# Altium PCB pcb.PcbDoc (part 1 of 2) (continued)
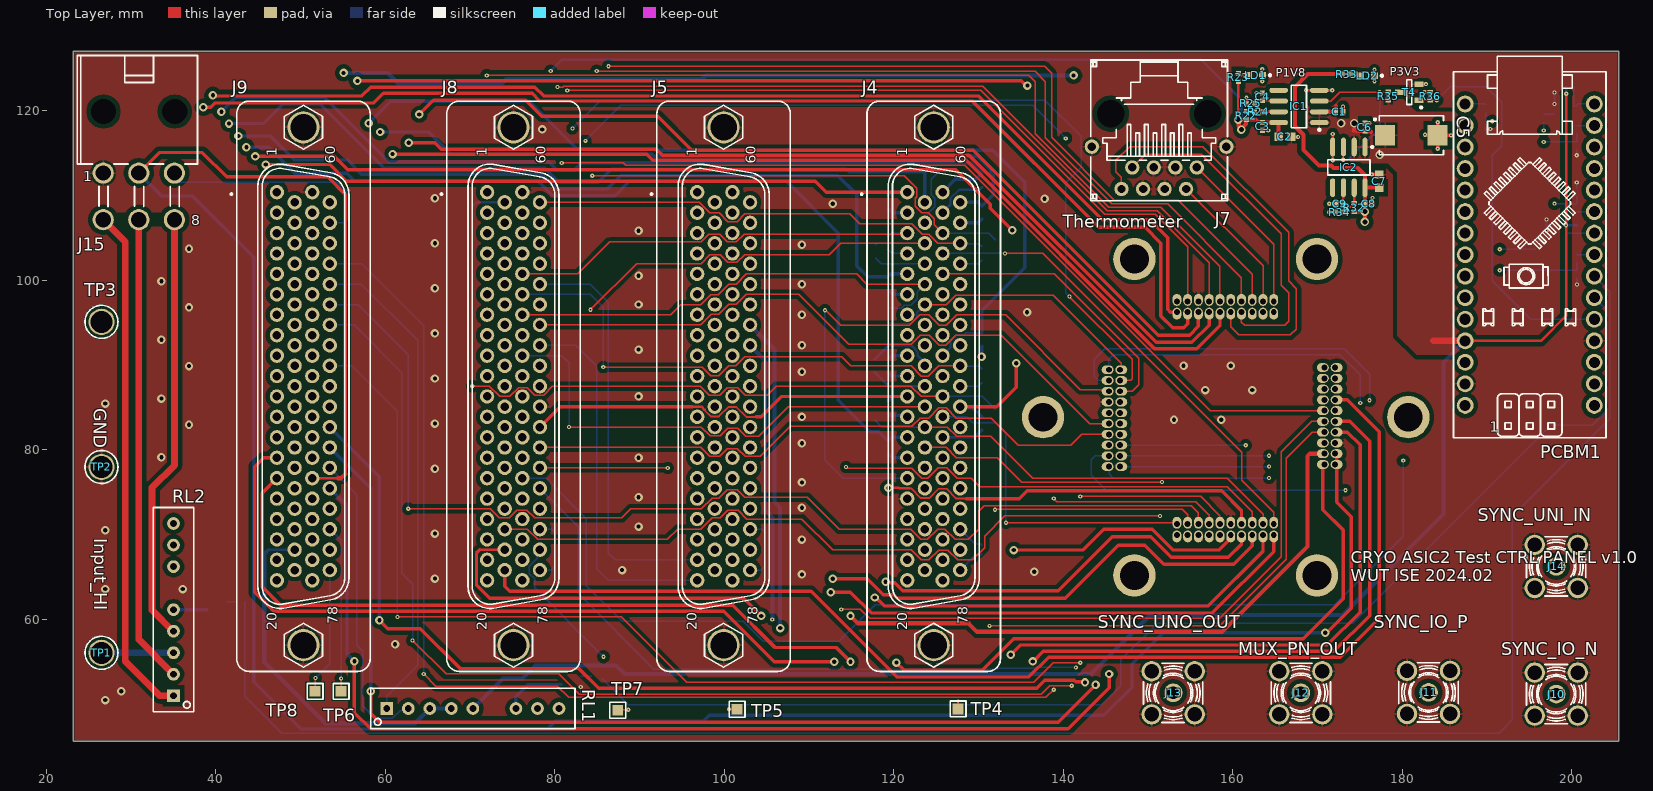
[diagram p0: Top Layer view]
## Footprints (in the part's own frame and the unit in brackets; to place one, negate y for a bottom-side part, rotate by r counter-clockwise, add the part's x,y. Pads: shape width x height; smd on the part's side, far side on the other; paste and mask are expansions set on the pad) (continued)
  round 3.8 hole 3.1: 79(-30.55,0) 80(30.55,0)
  silkscreen extent -33.66,-7.88 33.65,8.62, body extent -33.65,-7.87 33.65,7.88, height 13.25
KSTN-1502-2 [mm] "Terminal DBL Turret, Dia 3.18mm"
  round 3.1 hole 2.6: 1(0,0)
  silkscreen extent -1.95,-1.95 1.95,1.95, body extent -1.59,-1.59 1.59,1.59, height 5.56
LED_KINGBRIGHT_KP-1608CGCK [mm] "SMT Green LED, Case 0603, Body L 1.60mm x W 0.80mm x H 1.10mm"
  rect 0.8x0.8 smd: 1(-0.825,0) 2(0.825,0)
  silkscreen extent -1.83,-0.4 0.08,0.4, body extent -0.8,-0.4 0.8,0.4, height 1.1
MOLEX_39-30-0060 [mm] "4.20mm (.165\") Pitch Mini-Fit Jr. Header, Dual Row, Right Angle with Snap-in Plastic Peg PCB Lock, 8 Circuits"
  round 2.5 hole 1.8: 1(-4.2,2.75) 2(0,2.75) 3(4.2,2.75) 4(-4.2,-2.75) 5(0,-2.75) 6(4.2,-2.75)
  round 1 hole 3 unplated mask+1: 7(-4.165,10.015) 7(4.235,10.015)
  silkscreen extent -7.26,-1.2 6.94,16.62, body extent -7.26,-3.32 6.94,16.62, height 11.4
"PCBM_ARDUINO NANO_a" [mm] "Arduino NANO Printed Circuit Board Module"
  round 2 hole 1.3: 1(17.78,7.62) 2(15.24,7.62) 3(12.7,7.62) 4(10.16,7.62) 5(7.62,7.62) 6(5.08,7.62) 7(2.54,7.62) 8(0,7.62) 9(-2.54,7.62) 10(-5.08,7.62) 11(-7.62,7.62) 12(-10.16,7.62) 13(-12.7,7.62) 14(-15.24,7.62) 15(-17.78,7.62) 16(-17.78,-7.62) 17(-15.24,-7.62) 18(-12.7,-7.62) 19(-10.16,-7.62) 20(-7.62,-7.62) 21(-5.08,-7.62) 22(-2.54,-7.62) 23(0,-7.62) 24(2.54,-7.62) 25(5.08,-7.62) 26(7.62,-7.62) 27(10.16,-7.62) 28(12.7,-7.62) 29(15.24,-7.62) 30(17.78,-7.62)
  silkscreen extent -23.4,-9 21.6,9, body extent -23.4,-9 21.6,9, height 12.6
REL_PICKERING_107-2-C [mm] "8 Leads, Body 24.1 x 4.8mm, 2 Form C Mini-SIL Reed Relay 107 Series"
  rect 1.5x1.5 hole 0.8: 1(-10.16,0)
  round 1.5 hole 0.8: 2(-7.62,0) 3(-5.08,0) 4(-2.54,0) 5(0,0) 7(5.08,0) 8(7.62,0) 9(10.16,0)
  silkscreen extent -12.05,-2.4 12.05,2.4, body extent -12.05,-2.4 12.05,2.4, height 10.2
RESC1005X40N [mm] "Chip Resistor, EIA 0402, Metric 1005, Body 1.0x0.5mm, IPC Medium Density"
  rect 0.58x0.62 smd: 1(-0.47,0) 2(0.47,0)
  body extent -0.52,-0.27 0.53,0.28, height 0.4
RESC1608X55N [mm] "Chip Resistor, EIA 0603, Metric 1608, Body 1.6x0.8mm, IPC Medium Density"
  rect 0.9x1 smd: 1(-0.8,0) 2(0.8,0)
  body extent -0.87,-0.47 0.88,0.48, height 0.55
SAMTEC_SMA-J-P-H-ST-TH1 [mm] "50 Ohm SMA Straight PCB Jack"
  round 2.2 hole 1.5: 1(0,0)
  round 2.4 hole 1.7: 2(-2.54,-2.54) 2(-2.54,2.54) 2(2.54,-2.54) 2(2.54,2.54)
  silkscreen extent -3.5,-3.5 3.5,3.5, body extent -3.5,-3.5 3.5,3.5, height 9.56
SO-8 [mm] "SOIC, 8-Leads, Body 4.9x3.9mm, Pitch 1.27mm, IPC Medium Density"
  oval 2.2x0.6 smd: 1(-2.4,1.905) 2(-2.4,0.635) 3(-2.4,-0.635) 4(-2.4,-1.905) 5(2.4,-1.905) 6(2.4,-0.635) 7(2.4,0.635) 8(2.4,1.905)
  silkscreen extent -2.53,-2.5 0.9,2.88, body extent -3.07,-2.44 2.92,2.46, height 1.6
SOT95P230X110-3N [mm] "SOT23, 3 pin, Pitch 0.95mm - 1.3mm W X 2.9mm L X 1.1mm H, IPC Medium Density"
  rect 1x0.6 smd: 1(-1.15,0.95) 2(-1.15,-0.95) 3(1.15,0)
  silkscreen extent -1.53,-1.45 0.33,1.87, body extent -1.08,-1.5 1.25,1.5, height 1.1
SOT95P240X110-3N [mm] "SOT23 3-Leads, Pitch 0.95mm, Body 1.3x2.9mm, IPC Medium Density"
  rect 1.05x0.65 smd: 1(-1.15,0.95) 2(-1.15,-0.95) 3(1.15,0)
  silkscreen extent -1.53,-1.45 0.3,1.92, body extent -1.25,-1.5 1.25,1.5, height 1.1
TPS127 [mm] "1.27 x  1.27mm SMD Test Point Area"
  rect 1.27x1.27 smd paste-1.27: 1(0,0)
  silkscreen extent -0.94,-0.94 0.94,0.94
TYCO_6368150-1 [mm] "1 Port RJ45, Straight"
  round 1.7 hole 1: 1(-4.445,-1.27) 2(-3.175,1.27) 3(-1.905,-1.27) 4(-0.635,1.27) 5(0.635,-1.27) 6(1.905,1.27) 7(3.175,-1.27) 8(4.445,1.27) SHIELD(-7.935,-3.73) SHIELD(7.935,-3.73)
  round 0.5 hole 3.25 unplated mask+1.375: M1(5.715,-7.62) M2(-5.715,-7.62)
  silkscreen extent -8.06,-13.96 8.06,2.67, body extent -8.06,-13.96 8.06,2.67, height 16.82

## Part data
C1 C6: library part CC0402_4.7UF_10V_10%_X5R, "Non-polarised capacitor", Case=0402, Manufacturer=GENERIC, Manufacturer1 ComponentHeight=0.65mm, Manufacturer1 Example=TDK, Manufacturer1 Part Number=C1005X5R1A475K050, Tolerance=±10%, Voltage=10V, Author="CERN DEM BC", Component Type=Standard, CreateDate=10.01.2020, HelpURL=\\cern.ch\dfs\Applications\Altium\Datasheets\CC0402_X5R_TDK_C.pdf, LatestRevisionDate=10.01.2020, Manufacturer Part Number=CC0402_4.7UF_10V_10%_X5R, Mounted=Yes, Part Description="SMD Multilayer Chip Ceramic Capacitor", Part Number=CC0402_4.7UF_10V_10%_X5R, Pin Count=2, Sense=No, SMD=Yes, Socket=No, Status=Preferred, TC=X5R
C2 C7: library part CC0603_10UF_10V_10%_X5R, "Non-polarised capacitor", Case=0603, Manufacturer=GENERIC, Manufacturer1 ComponentHeight=0.8mm, Manufacturer1 Example=MURATA, Manufacturer1 Part Number=GRM188R61A106KE69D, Tolerance=±10%, Voltage=10V, Author="CERN DEM JLC", Component Type=Standard, CreateDate=31.01.2017, HelpURL=\\cern.ch\dfs\Applications\Altium\Datasheets\CC0603_MURATA_GRM188R61A106KE69D.pdf, LatestRevisionDate=31.01.2017, Manufacturer Part Number=CC0603_10UF_10V_10%_X5R, Mounted=Yes, Part Description="SMD Multilayer Chip Ceramic Capacitor", Part Number=CC0603_10UF_10V_10%_X5R, Pin Count=2, Sense=No, SMD=Yes, Socket=No, Status=None, TC=X5R
C3 C8: library part CC0402_100NF_16V_10%_X5R, "Non-polarised capacitor", Case=0402, Manufacturer=GENERIC, Manufacturer1 ComponentHeight=0.55mm, Manufacturer1 Example=MURATA, Manufacturer1 Part Number=GRM155R61C104KA88D, Tolerance=±10%, Voltage=16V, Author="CERN DEM JLC", Component Type=Standard, CreateDate=10.12.2013, HelpURL=\\cern.ch\dfs\Applications\Altium\Datasheets\CC0402_X5R_MURATA_GRM.pdf, LatestRevisionDate=10.12.2013, Manufacturer Part Number=CC0402_100NF_16V_10%_X5R, Mounted=Yes, Part Description="SMD Multilayer Chip Ceramic Capacitor", Part Number=CC0402_100NF_16V_10%_X5R, Pin Count=2, Sense=No, SMD=Yes, Socket=No, Status=None, TC=X5R
C4 C9: library part CC0402_1NF_50V_5%_C0G, "Non-polarised capacitor", Case=0402, Manufacturer=GENERIC, Manufacturer1 ComponentHeight=0.55mm, Manufacturer1 Example=KEMET, Manufacturer1 Part Number=C0402C102J5GACTU, Tolerance=±5%, Voltage=50V, Author="CERN DEM BC", Component Type=Standard, CreateDate=02.09.2019, HelpURL="\\cern.ch\dfs\Applications\Altium\Datasheets\CC0402_C0G_KEMET_(Commercial Grade).pdf", LatestRevisionDate=02.09.2019, Manufacturer Part Number=CC0402_1NF_50V_5%_C0G, Mounted=Yes, Part Description="SMD Multilayer Chip Ceramic Capacitor", Part Number=CC0402_1NF_50V_5%_C0G, Pin Count=2, Sense=No, SMD=Yes, Socket=No, Status=Preferred, TC=C0G/NP0
C5: library part CTE7343-43_220UF_16V_10%, "Polarised capacitor", Case=E, Manufacturer=GENERIC, Manufacturer1 ComponentHeight=4.3mm, Manufacturer1 Example=AVX, Manufacturer1 Part Number=TAJE227K016R, Tolerance=±10%, Voltage=16V, Author="CERN DEM JLC", Component Type=Standard, CreateDate=03.12.2007, HelpURL=\\cern.ch\dfs\Applications\Altium\Datasheets\CTE_AVX_TAJ.pdf, LatestRevisionDate=03.12.2007, Manufacturer Part Number=CTE7343-43_220UF_16V_10%, Mounted=Yes, Part Description="Solid Tantalum Chip Capacitor", Part Number=CTE7343-43_220UF_16V_10%, Pin Count=2, Sense=No, SMD=Yes, Socket=No, Status=Preferred
IC1 IC2: "1.5A, Low Voltage, Low Quiescent Current LDO Regulator, 8-Pin SOIC 150mil, Extended Temperature", Code_IPC=SOIC127P600-8, Code_JEDEC=MS-012, ComponentLink1Description="Manufacturer Link", ComponentLink1URL=http://www.microchip.com, ComponentLink2Description=Datasheet, ComponentLink2URL=http://ww1.microchip.com/downloads/en/DeviceDoc/21999b.pdf, ComponentLink3Description="Packaging Specification", ComponentLink3URL=http://ww1.microchip.com/downloads/en/PackagingSpec/00049AW.pdf, DatasheetVersion="revB, Feb-2007", PackageDescription="8-Lead Plastic Small Outline (SN) - Narrow, 3.90mm Body [SOIC]", PackageReference=SOIC-SN8, PackageVersion="revAW, Oct-2008", Published=29-Jan-2009, Publisher="Altium Limited"
J1 J2 J3 J6: library part 3M_45220-600230, "Connector 20 Male", Manufacturer=3M, Manufacturer Part Number=45220-600230, Author="CERN DEM MR", Component Type=Standard, ComponentHeight=5.64mm, CreateDate=15.08.2019, Family="Header 20", HelpURL=\\cern.ch\dfs\Applications\Altium\Datasheets\3M_45220-600230.pdf, LatestRevisionDate=15.08.2019, Mounted=Yes, Part Description="20 Contacts - 1.27mm (0.050\") Pitch - Shrouded Boardmount Vertical Header Without Latch/Ejectors, 452 Series", Part Number=3M_45220-600230, Pin Count=20, PressFit=No, Sense=No, SMD=No, Socket=No, Status=None
J4 J5 J8 J9: library part "HARTING_09 56 551 7513", "Connector D-sub 78 Female", Manufacturer=HARTING, Manufacturer Part Number="09 56 551 7513", Author="CERN DEM JLC", Component Type=Standard, ComponentHeight=12.7mm, CreateDate=15.12.2014, Family="D-Sub 78F", HelpURL="\\cern.ch\dfs\Applications\Altium\Datasheets\HARTING_09 56 551 7513.pdf", LatestRevisionDate=15.12.2014, Mounted=Yes, Part Description="High Density Straight Female D-SUB 78 Contacts, with Grounding Board Locks and Female Screw Lock 4-40", Part Number="HARTING_09 56 551 7513", Pin Count=80, PressFit=No, Sense=No, SMD=No, Socket=No, Status=None
J7: library part TYCO_6368150-1, "Connector RJ45 + Shield", Manufacturer="TYCO ELECTRONICS", Manufacturer Part Number=6368150-1, Author="CERN DEM MR", Component Type=Standard, ComponentHeight=17.02mm, CreateDate=18.06.2019, Family=RJ45, HelpURL=\\cern.ch\dfs\Applications\Altium\Datasheets\TYCO_6368150-1.pdf, LatestRevisionDate=18.06.2019, Mounted=Yes, Part Description="1 Port, RJ45 Connector,  8 Positions, Shielded, Straight, Category 5", Part Number=TYCO_6368150-1, Pin Count=10, PressFit=No, Sense=No, SMD=No, Socket=No, Status=None
J10 J11 J12 J13 J14: library part SAMTEC_SMA-J-P-H-ST-TH1, Manufacturer=SAMTEC, Manufacturer Part Number=SMA-J-P-H-ST-TH1, Author="CERN DEM BC", Component Type=Standard, ComponentHeight=9.55mm, CreateDate=11.01.2021, Family=SMA, HelpURL=\\cern.ch\dfs\Applications\Altium\Datasheets\SAMTEC_SMA-J-P-H-ST-TH1.pdf, LatestRevisionDate=11.01.2021, Mounted=Yes, Part Description="50 Ohm SMA Straight Through-hole PCB Jack", Part Number=SAMTEC_SMA-J-P-H-ST-TH1, Pin Count=5, PressFit=No, Sense=No, SMD=No, Socket=No, Status=None
J15: library part MOLEX_39-30-0060, "Connector 6 Male", Manufacturer=MOLEX, Manufacturer Part Number=39-30-0060, Author="CERN DEM JMW", Component Type=Standard, ComponentHeight=11.4mm, CreateDate=22.06.2017, Family="Mini-Fit Jr.™", HelpURL=\\cern.ch\dfs\Applications\Altium\Datasheets\MOLEX_39-30-0060.pdf, LatestRevisionDate=22.06.2017, Mounted=Yes, Part Description="4.20mm (.165\") Pitch Mini-Fit Jr. Header, Dual Row, Right Angle with Snap-in Plastic Peg PCB Lock, 6 Circuits", Part Number=MOLEX_39-30-0060, Pin Count=6, PressFit=No, Sense=No, SMD=No, Socket=No, Status=None
LD1 LD2: library part LED_KINGBRIGHT_KP-1608CGCK, "LED Green 1C 2A", Case=0603, Manufacturer=KINGBRIGHT, Manufacturer Part Number=KP-1608CGCK, Author="CERN DEM HF", Bonding=No, Color=Green, Component Type=Standard, ComponentHeight=1.1mm, CreateDate=01.10.2021, HelpURL=\\cern.ch\dfs\Applications\Altium\Datasheets\LED_KINGBRIGHT_KP-1608CGCK.pdf, LatestRevisionDate=01.10.2021, Mounted=Yes, PackageDescription="SMT Green LED, Case 0603, Body L 1.60mm x W 0.80mm x H 1.10mm", Part Description="1.6x0.8mm SMD Chip Green LED Lamp", Part Number=LED_KINGBRIGHT_KP-1608CGCK, Pin Count=2, PressFit=No, Sense=No, SMD=Yes, Socket=No
PCBM1: library part "PCBM_ARDUINO NANO_a", "Arduino NANO Printed Circuit Board Module", Manufacturer=ARDUINO, Manufacturer Part Number="ARDUINO NANO", Author="CERN DEM HF", Bonding=No, Component Type=Standard, ComponentHeight=12.6mm, CreateDate=05.10.2022, Device="PCBM_ARDUINO NANO", HelpURL="\\cern.ch\dfs\Applications\Altium\Datasheets\PCBM_ARDUINO NANO.pdf", LatestRevisionDate=05.10.2022, Mounted=Yes, PackageDescription="Microcontroller Board Arduino NANO", Part Description="Arduino NANO Printed Circuit Board Module", Part Number="PCBM_ARDUINO NANO_a", Pin Count=0, PressFit=No, Sense=Yes, Sense Comment=Non-washable, SMD=No, Socket=No
R1 R2 R3 R4 R5 R6 R7 R8 R9 R10 R11 R12 R13 R14 R15 R16 R17 R18 R20: library part R0603_0R1_1%_0.1W_200PPM, "Resistor - 1%", Case=0603, Manufacturer=GENERIC, Manufacturer1 ComponentHeight=0.55mm, Manufacturer1 Example=BOURNS, Manufacturer1 Part Number=CRL0603-FW-R100ELF, Power=0.1W, Tolerance=±1%, Author="CERN DEM JMW", Component Type=Standard, CreateDate=26.11.2019, HelpURL=\\cern.ch\dfs\Applications\Altium\Datasheets\R0603_BOURNS_CRL.pdf, LatestRevisionDate=26.11.2019, Manufacturer Part Number=R0603_0R1_1%_0.1W_200PPM, Mounted=Yes, Part Description="Low Value Chip Resistor", Part Number=R0603_0R1_1%_0.1W_200PPM, Pin Count=2, PressFit=No, Sense=No, SMD=Yes, Socket=No, Status=Preferred, TC=±200ppm/°C
R19 R21 R23 R29 R31 R33 R44 R45: library part R0402_1K_1%_0.0625W_100PPM, "Resistor - 1%", Case=0402, Manufacturer=GENERIC, Manufacturer1 ComponentHeight=0.4mm, Manufacturer1 Example="YAGEO PHYCOMP", Manufacturer1 Part Number=232270671002L, Power=0.0625W, Tolerance=±1%, Author="CERN DEM JLC", Component Type=Standard, CreateDate=03.12.2007, HelpURL=\\cern.ch\dfs\Applications\Altium\Datasheets\R0402_Phycomp_RC0402.pdf, LatestRevisionDate=17.10.2012, Manufacturer Part Number=R0402_1K_1%_0.0625W_100PPM, Mounted=Yes, Part Description="General Purpose Thick Film Chip Resistor", Part Number=R0402_1K_1%_0.0625W_100PPM, Pin Count=2, PressFit=No, Sense=No, SMD=Yes, Socket=No, Status="Not Recommended", TC=±100ppm/°C
R22: library part R0402_300R_1%_0.0625W_100PPM, "Resistor - 1%", Case=0402, Manufacturer=GENERIC, Manufacturer1 ComponentHeight=0.4mm, Manufacturer1 Example="YAGEO PHYCOMP", Manufacturer1 Part Number=232270673001L, Power=0.0625W, Tolerance=±1%, Author="CERN DEM JLC", Component Type=Standard, CreateDate=03.12.2007, HelpURL=\\cern.ch\dfs\Applications\Altium\Datasheets\R0402_Phycomp_RC0402.pdf, LatestRevisionDate=17.10.2012, Manufacturer Part Number=R0402_300R_1%_0.0625W_100PPM, Mounted=Yes, Part Description="General Purpose Thick Film Chip Resistor", Part Number=R0402_300R_1%_0.0625W_100PPM, Pin Count=2, PressFit=No, Sense=No, SMD=Yes, Socket=No, Status="Not Recommended", TC=±100ppm/°C
R24: library part R0402_16K9_1%_0.063W_100PPM, "Resistor - 1%", Case=0402, Manufacturer=GENERIC, Manufacturer1 ComponentHeight=0.4mm, Manufacturer1 Example=VISHAY, Manufacturer1 Part Number=CRCW040216K9FK, Power=0.063W, Tolerance=±1%, Author="CERN DEM BC", Component Type=Standard, CreateDate=10.01.2020, HelpURL="\\cern.ch\dfs\Applications\Altium\Datasheets\R0402_VISHAY_CRCW e3.pdf", LatestRevisionDate=10.01.2020, Manufacturer Part Number=R0402_16K9_1%_0.063W_100PPM, Mounted=Yes, Part Description="General Purpose Thick Film Chip Resistor", Part Number=R0402_16K9_1%_0.063W_100PPM, Pin Count=2, PressFit=No, Sense=No, SMD=Yes, Socket=No, Status=None, TC=±100ppm/°C
R25 R34: library part R0402_5K1_1%_0.0625W_100PPM, "Resistor - 1%", Case=0402, Manufacturer=GENERIC, Manufacturer1 ComponentHeight=0.4mm, Manufacturer1 Example="YAGEO PHYCOMP", Manufacturer1 Part Number=232270675102L, Power=0.0625W, Tolerance=±1%, Author="CERN DEM JLC", Component Type=Standard, CreateDate=03.12.2007, HelpURL=\\cern.ch\dfs\Applications\Altium\Datasheets\R0402_Phycomp_RC0402.pdf, LatestRevisionDate=17.10.2012, Manufacturer Part Number=R0402_5K1_1%_0.0625W_100PPM, Mounted=Yes, Part Description="General Purpose Thick Film Chip Resistor", Part Number=R0402_5K1_1%_0.0625W_100PPM, Pin Count=2, PressFit=No, Sense=No, SMD=Yes, Socket=No, Status="Not Recommended", TC=±100ppm/°C
R26 R27 R40 R42: library part R0402_1K1_1%_0.0625W_100PPM, "Resistor - 1%", Case=0402, Manufacturer=GENERIC, Manufacturer1 ComponentHeight=0.4mm, Manufacturer1 Example="YAGEO PHYCOMP", Manufacturer1 Part Number=232270671102L, Power=0.0625W, Tolerance=±1%, Author="CERN DEM JLC", Component Type=Standard, CreateDate=03.12.2007, HelpURL=\\cern.ch\dfs\Applications\Altium\Datasheets\R0402_Phycomp_RC0402.pdf, LatestRevisionDate=17.10.2012, Manufacturer Part Number=R0402_1K1_1%_0.0625W_100PPM, Mounted=Yes, Part Description="General Purpose Thick Film Chip Resistor", Part Number=R0402_1K1_1%_0.0625W_100PPM, Pin Count=2, PressFit=No, Sense=No, SMD=Yes, Socket=No, Status="Not Recommended", TC=±100ppm/°C
R28 R30 R41 R43: library part R0402_2K_1%_0.0625W_100PPM, "Resistor - 1%", Case=0402, Manufacturer=GENERIC, Manufacturer1 ComponentHeight=0.4mm, Manufacturer1 Example="YAGEO PHYCOMP", Manufacturer1 Part Number=232270672002L, Power=0.0625W, Tolerance=±1%, Author="CERN DEM JLC", Component Type=Standard, CreateDate=03.12.2007, HelpURL=\\cern.ch\dfs\Applications\Altium\Datasheets\R0402_Phycomp_RC0402.pdf, LatestRevisionDate=17.10.2012, Manufacturer Part Number=R0402_2K_1%_0.0625W_100PPM, Mounted=Yes, Part Description="General Purpose Thick Film Chip Resistor", Part Number=R0402_2K_1%_0.0625W_100PPM, Pin Count=2, PressFit=No, Sense=No, SMD=Yes, Socket=No, Status="Not Recommended", TC=±100ppm/°C
R32: library part R0402_36K_1%_0.0625W_100PPM, "Resistor - 1%", Case=0402, Manufacturer=GENERIC, Manufacturer1 ComponentHeight=0.4mm, Manufacturer1 Example="YAGEO PHYCOMP", Manufacturer1 Part Number=232270673603L, Power=0.0625W, Tolerance=±1%, Author="CERN DEM JLC", Component Type=Standard, CreateDate=03.12.2007, HelpURL=\\cern.ch\dfs\Applications\Altium\Datasheets\R0402_Phycomp_RC0402.pdf, LatestRevisionDate=17.10.2012, Manufacturer Part Number=R0402_36K_1%_0.0625W_100PPM, Mounted=Yes, Part Description="General Purpose Thick Film Chip Resistor", Part Number=R0402_36K_1%_0.0625W_100PPM, Pin Count=2, PressFit=No, Sense=No, SMD=Yes, Socket=No, Status="Not Recommended", TC=±100ppm/°C
R35 R36: library part R0402_10K_1%_0.0625W_100PPM, "Resistor - 1%", Case=0402, Manufacturer=GENERIC, Manufacturer1 ComponentHeight=0.4mm, Manufacturer1 Example="YAGEO PHYCOMP", Manufacturer1 Part Number=232270671003L, Power=0.0625W, Tolerance=±1%, Author="CERN DEM JLC", Component Type=Standard, CreateDate=03.12.2007, HelpURL=\\cern.ch\dfs\Applications\Altium\Datasheets\R0402_Phycomp_RC0402.pdf, LatestRevisionDate=17.10.2012, Manufacturer Part Number=R0402_10K_1%_0.0625W_100PPM, Mounted=Yes, Part Description="General Purpose Thick Film Chip Resistor", Part Number=R0402_10K_1%_0.0625W_100PPM, Pin Count=2, PressFit=No, Sense=No, SMD=Yes, Socket=No, Status="Not Recommended", TC=±100ppm/°C
R37 R38 R39: library part R0402_0R_JUMPER, "Resistor", Case=0402, Manufacturer=GENERIC, Manufacturer1 ComponentHeight=0.4mm, Manufacturer1 Example="YAGEO PHYCOMP", Manufacturer1 Part Number=232270591001L, Author="CERN DEM JLC", Component Type=Standard, CreateDate=03.12.2007, HelpURL=\\cern.ch\dfs\Applications\Altium\Datasheets\R0402_Phycomp_RC0402.pdf, LatestRevisionDate=17.10.2012, Manufacturer Part Number=R0402_0R_JUMPER, Mounted=Yes, Part Description="1A (0.05R Max DC Resistance) Zero Ohm Jumper", Part Number=R0402_0R_JUMPER, Pin Count=2, PressFit=No, Sense=No, SMD=Yes, Socket=No, Status="Not Recommended"
RL1 RL2: "DPDT (2 Form C) Reed Relay,  For Stacking On 0.2Inches Pitch, 107 Serie", Manufacturer="PICKERING ELECTRONICS", Manufacturer Part Number=107-2-C-5/3D, Author="CERN DEM JLC", Component Type=Standard, ComponentHeight=10.2mm, CreateDate=31.05.2011, HelpURL=\\cern.ch\dfs\Applications\Altium\Datasheets\REL_PICKERING_107.pdf, LatestRevisionDate=31.05.2011, Mounted=Yes, PackageDescription="8 Leads, Body 24.1 x 4.8mm, 2 Form C Mini-SIL Reed Relay 107 Series", Part Description="0.25A/200VDC, DPDT (2 Form C) Reed Relay,  For Stacking On 0.2 Inches Pitch, 107 Series", Part Number=REL_PICKERING_107-2-C-5/3D, Pin Count=8, PressFit=No, Sense=No, SMD=No, Socket=No, Status=None
T1 T2 T3 T5: "NPN Transistor", Case=SOT23-3, Manufacturer="NXP SEMICONDUCTORS", Author="CERN DEM JLC", Bonding=No, Component Type=Standard, ComponentHeight=1.1mm, CreateDate=28.10.2014, Device=BC817-25, HelpURL=\\cern.ch\dfs\Applications\Altium\Datasheets\BC817-25.pdf, LatestRevisionDate=28.10.2014, Manufacturer Part Number=BC817-25, Mounted=Yes, PackageDescription="SOT23, 3 pin, Pitch 0.95mm - 1.3mm W X 2.9mm L X 1.1mm H, IPC Medium Density", Part Description="45V 500mA NPN General-Purpose Transistor", Part Number=BC817-25, Pin Count=3, PressFit=No, Sense=No, SMD=Yes, Socket=No
T4: "N-CHANNEL MOSFET WITH DIODE", Case=SOT23-3, Manufacturer="ON SEMICONDUCTOR", Author="CERN DEM JLC", Bonding=No, Component Type=Standard, ComponentHeight=1.11mm, CreateDate=23.03.2009, Device=BSS138LT1G, HelpURL=\\cern.ch\dfs\Applications\Altium\Datasheets\BSS138LT1G.pdf, LatestRevisionDate=23.03.2009, Manufacturer Part Number=BSS138LT1G, Mounted=Yes, PackageDescription="SOT23, 0.95mm Pitch; 3 Pin, 1.40mm W X 3.00mm L X 1.10mm H body, IPC Medium Density", Part Description="50V, 200mA N-Channel Enhancement Mode Field-Effect Transistor", Part Number=BSS138LT1G, Pin Count=3, PressFit=No, Sense=No, SMD=Yes, Socket=No
TP1 TP2 TP3: library part CMP-1672-00001-5, "Terminal DBL Turret, Through Hole, RoHS", Manufacturer=Keystone, Package Quantity=1, ComponentLink1Description="Manufacturer URL", ComponentLink1URL=http://www.keyelco.com/, ComponentLink2Description=Datasheet, ComponentLink2URL=http://www.keyelco.com/product-pdf.cfm?p=3293, Contact Finish=Tin, Contact Material=Brass, DatasheetVersion="Rev. A, 02/2008", Lead Pitch="0.218 inch", Length="2.77 mm", Mount="Through Hole", Mounting Technology="Through Hole", PackageDescription="1-Pin Through Hole Device, Dia 3.18 mm", PackageReference=1502-2, Pins=50, REACH SVHC="No SVHC", RoHSCompliant=true
TP4 TP5 TP6 TP7 TP8: library part SMD_PAD_1.27X1.27MM, Author="CERN DEM JLC", Component Type="Standard (No BOM)", ComponentHeight=0mm, CreateDate=12.01.2008, Family="Test Point", HelpURL=Undefined, LatestRevisionDate=12.01.2008, Mounted=No, PackageDescription="1.27mm x 1.27mm PCB Copper Area (SMD Test Point)", Part Description="1.27mm x 1.27mm PCB Copper Area (SMD Test Point)", Part Number=SMD_PAD_1.27X1.27MM, Pin Count=1, Sense=No, SMD=No, Socket=No, Status=None

## Free pads (board coordinates)
  round 5 hole 3.4: 3(169.923,102.51) 4(180.698,83.847) 5(169.923,65.184) 6(148.373,65.184) 7(137.598,83.847) 8(148.373,102.51)

## Via types
v1: diameter 1, hole 0.5, Top Layer to Bottom Layer, tented both sides, 96 vias
v2: diameter 0.5, hole 0.2, Top Layer to Bottom Layer, tented both sides, 94 vias
v3: diameter 1, hole 0.6, Top Layer to Bottom Layer, tented both sides, 7 vias
v4: diameter 0.4, hole 0.2, Top Layer to Bottom Layer, tented both sides, 1 vias

## Nets (pads, with @x,y where several pads share a name; then routed paths per layer and width w, separated by ;. In a path a pad name is that pad's centre, name@x,y a point inside that pad or via, vN(x,y) a via of type N, cw(c..) or ccw(c..) an arc to the next point about the centre after c; other vN are vias at no path point)
BANK_P1V8_VADJ0: J5.19 J8.64 | length 49.4
  Bottom Layer w0.152: J8.64@78.24,99.555 84.195,99.555 86.325,97.425 86.325,67.8 87.11,67.015 J5.19@96.79,67.015
BANK_P1V8_VADJ1: J5.20 J8.67 | length 44
  Bottom Layer w0.152: J8.67@78.24,92.325 82.47,92.325 84.95,89.845 84.95,65.95 86.295,64.605 J5.20@96.79,64.605
BANK_P3V3_VADJ0: J5.46 J8.38 | length 81.3
  Top Layer w0.3: 71.15,68.225 71.296,68.225 J8.38@74.08,68.225
  Top Layer w0.4: 71.15,68.225 70.75,67.825 70.75,64.087 72.337,62.5 102.26,62.5 v1(104.36,60.4)
  Layer 2 w0.3: J5.46@100.95,95.935 103.75,95.935
  Layer 2 w0.4: 103.75,95.935 104.732,94.953 104.732,63.919 104.36,63.547 v1(104.36,60.4)
BANK_P3V3_VADJ1: J5.47 J8.73 | length 37.4
  Top Layer w0.152: J8.73@78.24,77.865 93.315,77.865 v2(93.325,77.855) v2@93.335,77.865
  Layer 2 w0.152: v2(93.325,77.855) 93.325,91.875 93.775,92.325 97.2,92.325 98.4,93.525 J5.47@100.95,93.525
BANK_P18V0_VADJ0: J9.64 RL1.1 | length 58.1
  Bottom Layer w0.152: J9.64@53.45,99.555 57.17,99.555 63.825,92.9 63.825,54.563 60.165,50.903 RL1.1@60.165,49.475
BANK_P45V0_VADJ0: J9.38 RL1.3 RL1.4 | length 42.3
  Bottom Layer w0.3: 46.225,68.215 J9.38@49.29,68.215
  Bottom Layer w0.4: 45.975,67.965 46.225,68.215
  Bottom Layer w0.5: 45.975,67.965 45.7,67.69 45.7,54.947 45.71,54.947 52.907,47.75 63.52,47.75 RL1.3@65.245,49.475 RL1.4@67.785,49.475
BANK_P45V0_VADJ1: J9.73 RL1.2 | length 36.1
  Bottom Layer w0.152: J9.73@53.45,77.855 56.625,74.68 56.625,56.965 57.35,56.24 57.35,49.815 58.825,48.34 60.827,48.34 61.726,49.239 62.479,49.239 RL1.2@62.705,49.465
BGP_OUT: J2.16 J4.44 | length 32.9
  Top Layer w0.152: J4.44@125.739,100.755 138.895,100.755 148.875,90.775 148.875,87.672 148.112,86.909 J2.16@146.662,86.909
BPID1: J9.76 TP6.1 | length 19.7
  Top Layer w0.152: TP6.1@54.78,51.5 v2(54.78,53.025)
  Bottom Layer w0.152: J9.76@53.45,70.635 54.78,69.305 v2(54.78,53.025)
BPID2: J9.78 TP8.1 | length 15
  Top Layer w0.152: TP8.1@51.7,51.5 51.7,53.025 v2(51.75,53.075)
  Bottom Layer w0.152: v2(51.75,53.075) 53.45,54.775 J9.78@53.45,65.815
BPID3: J8.77 TP7.1 | length 25.5
  Top Layer w0.152: TP7.1@87.41,49.275 87.46,49.325 v2(88.667,49.325)
  Layer 2 w0.152: v2(85.73,55.595) 88.622,52.703 cw(c88.514,52.595) 88.667,52.595 v2(88.667,49.325)
  Bottom Layer w0.152: J8.77@78.24,68.225 77.944,67.929 77.944,67.205 77,66.261 77,65.4 77.62,64.78 77.62,63.705 v2(85.73,55.595)
C111: J8.3
C112: J8.4
C113: J8.2
C114: J8.41
C115: J8.43
C116: J8.42
C117: J8.28
C118: J8.27
C119: J8.5
C120: J8.26
C121: J8.22
C122: J8.23
C123: J8.25
C124: J8.24
C125: J8.10
C126: J8.9
C127: J8.6
C128: J8.7
C213: J8.16
C214: J8.15
C215: J8.13
C216: J8.14
C217: J8.29
C218: J8.30
C219: J8.32
C220: J8.31
C221: J8.36
C222: J8.35
C223: J8.33
C224: J8.34
C225: J8.20
C226: J8.19
C227: J8.17
C228: J8.18
C305: J9.62
C306: J9.1
C307: J9.60
C308: J9.21
C309: J9.49
C310: J9.48
C311: J9.3
C312: J9.4
C313: J9.2
C314: J9.41
C315: J9.43
C316: J9.42
C317: J9.28
C318: J9.27
C319: J9.5
C320: J9.26
C321: J9.22
C322: J9.23
C323: J9.25
C324: J9.24
C325: J9.10
C326: J9.9
C327: J9.6
C328: J9.7
C421: J9.36
C422: J9.35
C423: J9.33
C424: J9.34
C425: J9.20
C426: J9.19
C427: J9.17
C428: J9.18
"Chassis ground": TP3.1
CLK: J2.3 R27.1 R30.2 | length 94.5
  Layer 2 w0.152: v2(173.282,75.225) 183.225,75.225 192.3,84.3 192.3,117.08 v2(190.604,118.775)
  Bottom Layer w0.152: J2.3@145.392,79.289 143.773,79.289 143.283,78.799 143.283,76.987 145.044,75.225 v2(173.282,75.225) ; R27.1@189.85,119.755 R30.2@189.85,118.795 189.87,118.775 v2(190.604,118.775)
D0: J3.18 J4.63 R1.2 | length 58.8
  Top Layer w0.152: v2(131.925,72.925) 131.972,72.972 154.028,72.972 154.663,72.337 J3.18@154.663,71.224
  Layer 2 w0.152: J4.63@127.819,101.965 129.769,101.965 131.925,99.809 v2(131.925,72.925)
  Bottom Layer w0.152: J4.63@127.819,101.965 129.95,101.965 130.35,102.365 R1.2@130.4,102.365
D1: J3.20 J4.51 R2.2 | length 39.5
  Top Layer w0.152: v2(133.225,71.4) 153.217,71.4 J3.20@153.393,71.224
  Bottom Layer w0.152: J4.51@125.443,83.589 J4.51@125.739,83.885 128.623,83.885 129.334,83.173 129.786,83.173 131.973,83.173 R2.2@132,83.2 ; R2.2@132.05,83.2 132.424,82.826 132.424,82.776 133.225,81.975 v2(133.225,71.4)
D2: J3.2 J4.43 R3.2 | length 55.1
  Top Layer w0.152: v2(133.1,103.165) 137.594,103.165 161.034,79.724 161.034,76.4 164.823,72.611 J3.2@164.823,71.224
  Bottom Layer w0.152: J4.43@125.739,103.165 131.965,103.165 R3.2@132,103.2 132.035,103.165 v2(133.1,103.165)
D3: J3.4 J4.32 R4.2 | length 51.6
  Top Layer w0.152: J4.32@123.659,82.685 126.313,82.685 127.392,81.606 131.444,81.606 136.395,76.655 159.325,76.655 163.553,72.426 J3.4@163.553,71.224
  Bottom Layer w0.152: R4.2@117.753,83.47 117.803,83.47 118.588,82.685 J4.32@123.659,82.685
D4: J3.6 J4.24 R5.2 | length 88.8
  Top Layer w0.152: v2(114.35,77.975) 114.444,77.975 114.594,77.825 122.09,77.825 123.261,76.655 124.005,76.655 125.215,77.865 126.242,77.865 127.452,76.655 129.134,76.655 130.139,75.65 159.326,75.65 162.283,72.693 J3.6@162.283,71.224
  Layer 2 w0.152: v2(114.35,77.975) 114.35,96.461 119.854,101.965 J4.24@123.659,101.965
  Bottom Layer w0.152: R5.2@117.8,102.6 117.85,102.6 118.485,101.965 J4.24@123.659,101.965
D5: J3.8 J4.12 R6.2 | length 57.8
  Top Layer w0.21: 121.834,75.455 122.026,75.455 123.181,74.3 124.161,74.3 125.261,75.4 126.218,75.4 127.373,74.245 128.518,74.245
  Top Layer w0.3: v1(119.35,75.5) 120.594,75.5 120.639,75.455 121.834,75.455
  Top Layer w0.4: 128.518,74.245 134.813,74.245 135.718,75.15 158.675,75.15 161.013,72.812 J3.8@161.013,71.224
  Layer 2 w0.4: v1(119.35,75.5) 119.329,75.521 119.329,81.635 J4.12@121.579,83.885
  Bottom Layer w0.4: R6.2@119.329,84.27 119.522,84.077 121.387,84.077 J4.12@121.579,83.885
D6: J4.4 J6.12 R7.2 | length 123.3
  Top Layer w0.152: v2(113.8,61.15) 113.826,61.176 116.048,61.176 117.124,60.1 158.423,60.1 165.7,67.377 165.7,79.75 169.303,83.353 J6.12@170.792,83.353
  Layer 2 w0.152: v2(113.8,61.15) 113.8,79.254 113.7,79.354 113.7,97.365 119.5,103.165 J4.4@121.579,103.165
  Bottom Layer w0.152: R7.2@119.3,103.6 119.35,103.6 119.785,103.165 J4.4@121.579,103.165
D7: J4.69 J6.14 R8.2 | length 89.7
  Top Layer w0.152: v2(131.275,59.225) 158.425,59.225 166.3,67.1 166.3,79.027 169.356,82.083 J6.14@170.792,82.083
  Layer 2 w0.152: J4.69@127.819,87.505 129.904,87.505 130.659,86.75 130.659,59.841 v2(131.275,59.225)
  Bottom Layer w0.152: J4.69@127.819,87.505 129.95,87.505 130.35,87.905 R8.2@130.4,87.905
D8: J4.61 J6.11 R9.2 | length 127
  Top Layer w0.4: v1(136.395,55.025) 136.42,55.025 137.62,56.225 171.925,56.225 176.125,60.425 176.125,81.015 173.787,83.353 J6.11@172.062,83.353
  Layer 2 w0.4: J4.61@127.819,106.785 130.14,106.785 131.115,105.81 131.115,101.985 132.575,100.525 132.575,66.05 136.395,62.23 v1(136.395,55.025)
  Bottom Layer w0.4: J4.61@127.819,106.785 129.935,106.785 130.35,107.2 R9.2@130.4,107.2
D9: J4.49 J6.13 R10.2 | length 110.5
  Top Layer w0.4: v1(133.8,55.825) 134.95,56.975 171.15,56.975 175.025,60.85 175.025,80.575 173.517,82.083 J6.13@172.062,82.083
  Layer 2 w0.3: J4.49@125.739,88.705 127.322,88.705 127.332,88.715 128.098,88.715 128.102,88.718 128.518,88.718
  Layer 2 w0.4: 128.518,88.718 129.175,89.375 129.175,90.202 129.826,90.853 130.235,90.853 v1(130.35,90.968) 131.275,90.043 131.275,65.325 133.8,62.8 v1(133.8,55.825)
  Bottom Layer w0.4: v1(130.35,90.968) 130.375,90.993 130.375,92.175 R10.2@130.4,92.2
D10: J3.9 J4.41 R11.2 | length 81.7
  Top Layer w0.21: J3.9@159.743,69.766 J3.9@159.743,69.954
  Top Layer w0.4: v1(134.15,68.176) 142.305,68.176 144.76,70.631 150.495,70.631 152.95,68.176 158.353,68.176 159.743,69.566 J3.9@159.743,69.766
  Layer 2 w0.3: J4.41@125.739,107.985 131.115,107.985
  Layer 2 w0.4: 130.805,108 131.1,108 131.115,107.985 132.275,106.825 132.275,102.799 133.2,101.874 133.2,85.675 134.15,84.725 v1(134.15,68.176)
  Bottom Layer w0.21: 126.619,108.91 126.664,108.955 126.664,109.673 127.691,110.7
  Bottom Layer w0.3: J4.41@125.739,107.985 126.619,108.865 126.619,108.91 ; 127.691,110.7 130.1,110.7 R11.2@130.4,111
D11: J3.7 J4.30 R12.2 | length 81.8
  Top Layer w0.4: v1(119.025,64.425) 119.14,64.31 120.102,64.31 121.058,63.355 139.38,63.355 145.75,69.725 150.306,69.725 152.706,67.325 159.464,67.325 161.013,68.875 J3.7@161.013,69.954
  Layer 2 w0.3: 120.441,87.505 J4.30@123.659,87.505
  Layer 2 w0.4: v1(119.025,64.425) 119.025,73.825 118.45,74.4 118.45,76.615 118.55,76.715 118.55,85.614 120.441,87.505
  Bottom Layer w0.3: R12.2@117.7,89.1 117.75,89.1 119.345,87.505 J4.30@123.659,87.505
D12: J3.5 J4.22 R13.2 | length 111.9
  Top Layer w0.4: v1(112.775,64.775) 116.875,64.775 118.753,62.897 119.958,62.897 120.378,62.477 140.227,62.477 146.497,68.747 149.62,68.747 151.867,66.5 160.125,66.5 162.283,68.658 J3.5@162.283,69.954
  Layer 2 w0.3: 119.985,106.785 J4.22@123.659,106.785
  Layer 2 w0.4: v1(112.775,64.775) 112.785,64.785 112.785,99.585 119.985,106.785
  Bottom Layer w0.21: J4.22@123.659,106.785 123.956,107.081 123.927,107.109 123.927,107.802 124.825,108.7 124.825,109.675 124.4,110.1 124.4,111.913 125.237,112.75 R13.2@125.237,112.8
D13: J3.3 J4.10 R14.2 | length 81.9
  Top Layer w0.4: v1(117.75,62.576) 117.853,62.576 118.854,61.575 157.1,61.575 163.553,68.028 J3.3@163.553,69.954
  Layer 2 w0.4: v1(117.75,62.576) 117.75,86.459 119.996,88.705 J4.10@121.579,88.705
  Bottom Layer w0.4: R14.2@119.3,89.1 119.35,89.1 119.745,88.705 J4.10@121.579,88.705
D14: J3.1 J4.2 R15.2 | length 112
  Top Layer w0.4: v1(112.55,63.2) 114.875,63.2 117.325,60.75 157.575,60.75 164.823,67.998 J3.1@164.823,69.954
  Layer 2 w0.4: v1(112.55,63.2) 110.9,64.85 110.9,99.814 119.07,107.985 J4.2@121.579,107.985
  Bottom Layer w0.4: R15.2@119.329,108.395 119.379,108.395 119.789,107.985 J4.2@121.579,107.985
D15: J4.52 J6.16 R16.2 | length 98.2
  Layer 2 w0.3: J4.52@125.739,81.475 128.634,81.475
  Layer 2 w0.4: 128.634,81.475 129.256,81.475 129.5,81.23 129.5,60.35 129.5,59.138 131.525,57.113 131.525,54.55 135.275,50.8 144.45,50.8 147.55,53.9 147.55,55.982 152.1,60.532 152.1,72.188 161.384,81.472 166.292,81.472 166.951,80.813 J6.16@170.792,80.813
  Bottom Layer w0.3: J4.52@125.739,81.475 129.525,81.475
  Bottom Layer w0.4: 129.525,81.475 130.35,82.299 R16.2@130.4,82.299
D16: J4.6 J6.18 R17.2 | length 114.9
  Top Layer w0.5: v1(114.88,60.4) 115.755,59.525 128.82,59.525 129.82,58.525 158.729,58.525 168.8,68.596 168.8,79.25 169.093,79.543 170.604,79.543 J6.18@170.792,79.731
  Layer 2 w0.5: v1(114.88,60.4) 114.88,77.455 115.05,77.625 115.05,91.815 J4.6@121.579,98.345
  Bottom Layer w0.4: R17.2@119.3,98.8 119.35,98.8 119.805,98.345 J4.6@121.579,98.345
D17: J4.14 J6.20 R18.2 | length 100.6
  Top Layer w0.4: v1(120.3,54.901) 121.226,53.975 130.4,53.975 134.15,57.725 168.288,57.725 173.01,62.447 173.01,70.54 170.617,72.933 170.617,78.098 J6.20@170.792,78.273
  Layer 2 w0.4: v1(120.3,54.901) 120.3,77.785 J4.14@121.579,79.065
  Bottom Layer w0.4: R18.2@119.3,79.5 119.35,79.5 119.785,79.065 J4.14@121.579,79.065
DAC_OUT: J2.15 J4.15 | length 67.9
  Top Layer w0.152: v2(111.867,96.475) 111.95,96.475 113.725,94.7 121.834,94.7 123.069,95.935 124.14,95.935 125.375,94.7 126.2,94.7 127.435,95.935 133.175,95.935 142.012,87.097 144.611,87.097 144.628,87.081 145.376,87.081 145.392,87.097 J2.15@145.392,86.909
  Bottom Layer w0.152: v2(111.867,96.475) 111.867,78.808 114.02,76.655 J4.15@121.579,76.655
DATA_IN: J2.19 R26.1 R28.2 | length 82.8
  Layer 2 w0.152: v2(175.025,85.525) 175.025,85.05 180.2,79.875 186.15,79.875 191.525,85.25 191.525,101.175 v2(191.5,101.2)
  Bottom Layer w0.152: J2.19@145.392,89.449 145.375,89.467 145.375,90.7 145.896,91.221 172.634,91.221 175.025,88.83 v2(175.025,85.525) ; v2(191.5,101.2) 200.52,101.2 R28.2@200.575,101.145 R26.1@200.575,102.08
DATA_IN_5V: PCBM1.8 R26.2 | length 2.1
  Bottom Layer w0.152: R26.2@200.575,103.02 200.58,103.025 PCBM1.8@202.645,103.025
DATA_RDY: J2.17 R31.1 | length 82.1
  Layer 2 w0.152: v2(176.125,85.85) 176.989,85.85 178.924,87.785 181.675,87.785 184.85,84.61 186.107,83.353 188.029,83.353 190.575,85.899 190.575,103.075 191.152,103.651 191.476,103.651 v2(191.5,103.675)
  Bottom Layer w0.152: J2.17@145.392,88.179 144.14,88.179 143.614,88.705 143.614,90.66 144.879,91.925 173.125,91.925 176.125,88.925 v2(176.125,85.85) ; v2(191.5,103.675) 195.73,103.675 R31.1@195.75,103.655
DATA_RDY_5V: PCBM1.9 R29.1 T3.3 | length 3.4
  Bottom Layer w0.152: T3.3@199.3,105.55 199.315,105.565 PCBM1.9@202.645,105.565
DP0: J4.62 J8.60 R1.1 | length 55.1
  Top Layer w0.152: J8.60@78.24,109.195 97.061,109.195 97.218,109.038 97.226,109.038 98.279,107.985 99.365,107.985 100.418,106.932 101.507,106.932 102.431,107.856 114.778,107.856 115.981,106.653 122.097,106.653 123.322,105.428 124.096,105.428 125.149,104.375 J4.62@127.819,104.375
  Bottom Layer w0.152: J4.62@127.819,104.375 127.856,104.339 130.026,104.339 R1.1@130.4,103.965
DP1: J4.50 J8.21 R2.1 | length 91.5
  Top Layer w0.152: v2(70.25,87.495) 70.26,87.505 72.279,87.505 73.489,86.295 74.67,86.295 75.724,87.348 76.752,87.348 77.648,86.452 78.676,86.452 79.719,87.495 97.155,87.495 98.198,86.452 99.472,86.452 100.368,87.348 101.552,87.348 102.448,86.452 105.072,86.452 106.125,87.505 121.995,87.505 123.205,86.295 J4.50@125.739,86.295
  Bottom Layer w0.152: v2(70.25,87.495) 70.25,108.725 70.72,109.195 ; J4.50@125.739,86.295 130.455,86.295 131.95,84.8 R2.1@132,84.8
  Bottom Layer w0.3: 70.72,109.195 J8.21@74.08,109.195
DP2: J4.42 J8.49 R3.1 | length 82.3
  Top Layer w0.152: v2(84.4,112.35) 121.217,112.35 122.706,110.861 122.706,109.881 122.533,109.709 122.533,108.728 123.272,107.99 124.047,107.99 124.786,107.251 124.786,106.529 J4.42@125.739,105.575
  Layer 2 w0.152: J8.49@76.16,88.705 80.58,88.705 83.325,91.45 83.325,97.575 84.4,98.65 v2(84.4,112.35)
  Bottom Layer w0.152: J4.42@125.739,105.575 131.175,105.575 131.95,104.8 R3.1@132,104.8
DP3: J4.31 J8.48 R4.1 | length 64
  Top Layer w0.152: v2(81.668,82.685) 97.278,82.685 98.331,81.632 99.515,81.632 100.411,82.528 101.595,82.528 102.516,81.606 104.04,81.606 107.528,85.095 J4.31@123.659,85.095
  Bottom Layer w0.152: J8.48@76.16,91.115 80.814,91.115 81.668,90.261 v2(81.668,82.685) ; R4.1@117.753,85.07 117.778,85.095 J4.31@123.659,85.095
DP4: J4.23 J8.69 R5.1 | length 63
  Top Layer w0.152: v2(84.195,96.525) 89.645,101.975 97.248,101.975 98.29,103.018 99.511,103.018 100.418,102.112 101.474,102.112 102.38,103.018 ; 102.375,103.018 112.399,103.018 113.756,104.375 J4.23@123.659,104.375
  Layer 2 w0.152: J8.69@78.24,87.505 81.78,87.505 84.195,89.92 v2(84.195,96.525)
  Bottom Layer w0.152: R5.1@117.8,104.2 117.975,104.375 J4.23@123.659,104.375
DP5: J4.11 J8.71 R6.1 | length 49.2
  Top Layer w0.21: 97.675,84.702 97.715,84.662 97.715,84.616 98.391,83.94 99.353,83.94 100.453,85.04 101.433,85.04 102.588,83.885 103.759,83.885
  Top Layer w0.3: 96.232,85.09 97.287,85.09 97.675,84.702
  Top Layer w0.4: J8.71@78.24,82.685 80.645,85.09 85.65,85.09 96.232,85.09 ; 103.759,83.885 104.365,83.885 106.775,86.295 J4.11@121.579,86.295
  Bottom Layer w0.4: R6.1@119.329,85.87 119.379,85.87 119.804,86.295 J4.11@121.579,86.295